# KiCad board manila_ice.kicad_pcb (continued)
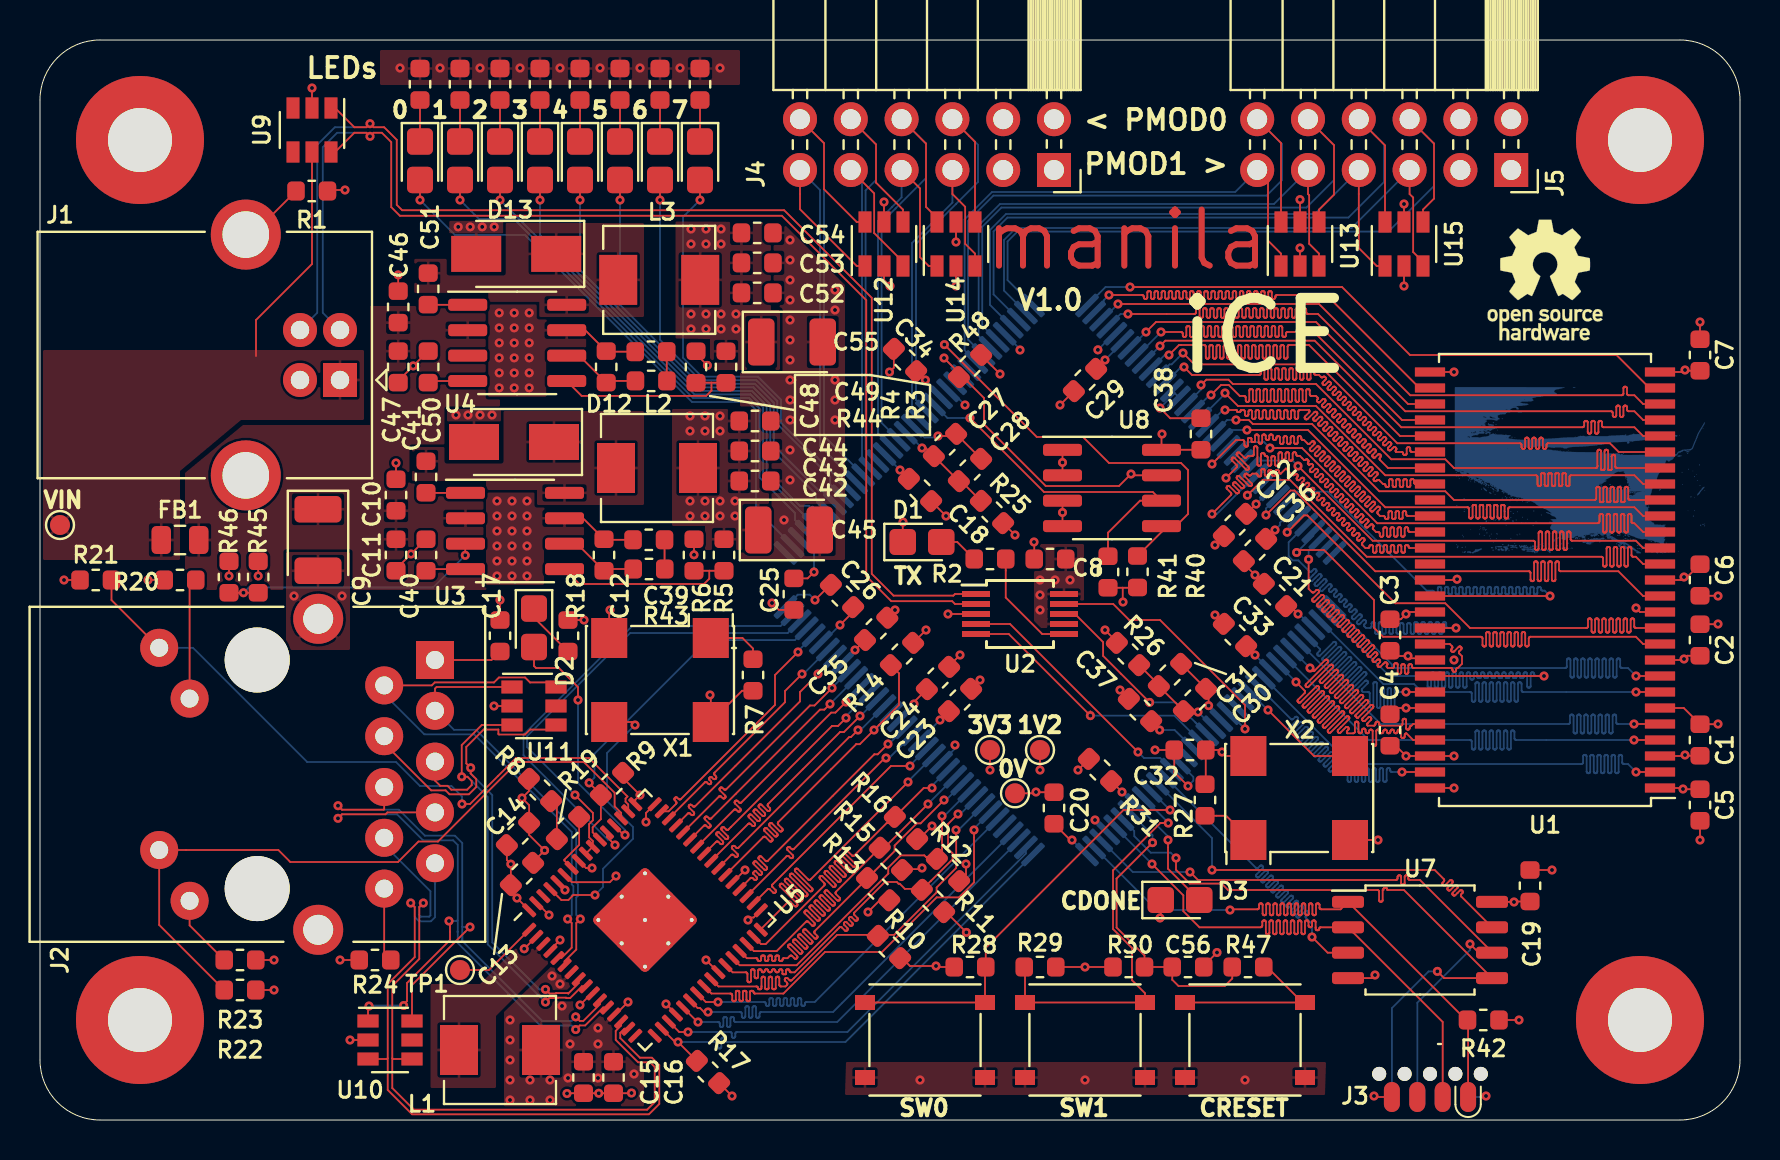
[diagram p0: board, top side]
## Routing (per net, layer and track width the routed paths; a pad name or vN(x,y) marks a point on that pad's centre or on a via; arc(x,y) is an arc through that point) (continued)
/FPGA/ETH_RXD6: length 16.9
  Top w0.089: v1(45.1,15.2) 45.1,13.31 44.94,13.16 44.29,13.16 44.22,13.23 43.04,13.23 42.99,13.19 42.98,13.19 42.41,12.62 42.41,12.33 42.42,12.32 37.83,7.74 34.99,7.74 U5.28
  Bottom w0.089: U6.82 45.21,15.2 v1(45.1,15.2)
/FPGA/ETH_RXD7: length 22.6
  Top w0.089: U5.29 35.34,8.09 35.81,8.09 35.82,8.09 35.84,8.08 35.85,8.08 35.86,8.07 35.87,8.05 35.88,8.04 35.88,8.01 35.88,7.99 35.89,7.98 35.9,7.97 35.92,7.96 35.93,7.96 35.94,7.96 35.99,7.96 36,7.96 36.02,7.96 36.03,7.97 36.04,7.98 36.05,7.99 36.05,8.01 36.05,8.02 36.05,8.09 36.06,8.09 36.06,8.16 36.06,8.17 36.07,8.19 36.08,8.2 36.09,8.21 36.1,8.22 36.11,8.22 36.13,8.23 36.17,8.23 36.19,8.22 36.2,8.22 36.21,8.21 36.23,8.2 36.23,8.19 36.24,8.17 36.24,8.16 36.24,8.02 36.24,8.01 36.25,7.99 36.25,7.98 36.27,7.97 36.28,7.96 36.29,7.96 36.31,7.96 36.35,7.96 36.36,7.96 36.38,7.96 36.39,7.97 36.4,7.98 36.41,7.99 36.42,8.01 36.42,8.02 36.42,8.16 36.42,8.17 36.42,8.19 36.43,8.2 36.44,8.21 36.46,8.22 36.47,8.22 36.49,8.23 36.53,8.23 36.54,8.22 36.56,8.22 36.57,8.21 36.58,8.2 36.59,8.19 36.59,8.17 36.6,8.16 36.6,8.02 36.6,8.01 36.6,7.99 36.61,7.98 36.62,7.97 36.63,7.96 36.65,7.96 36.66,7.96 36.71,7.96 36.72,7.96 36.73,7.96 36.75,7.97 36.76,7.98 36.77,7.99 36.77,8.01 36.77,8.02 36.77,8.16 36.77,8.17 36.78,8.19 36.79,8.2 36.8,8.21 36.81,8.22 36.83,8.22 36.84,8.23 36.88,8.23 36.9,8.22 36.91,8.22 36.93,8.21 36.94,8.2 36.94,8.19 36.95,8.17 36.95,8.16 36.95,8.02 36.95,8.01 36.96,7.99 36.97,7.98 36.98,7.97 36.99,7.96 37,7.96 37.02,7.96 37.06,7.96 37.08,7.96 37.09,7.96 37.1,7.97 37.11,7.98 37.12,7.99 37.13,8.01 37.13,8.04 37.14,8.05 37.14,8.07 37.15,8.08 37.17,8.08 37.18,8.09 37.2,8.09 37.38,8.09 37.48,8.2 37.5,8.21 37.52,8.22 37.54,8.22 37.56,8.22 37.58,8.22 37.59,8.21 37.61,8.2 37.72,8.09 37.74,8.07 37.75,8.06 37.77,8.06 37.79,8.06 37.81,8.06 37.83,8.07 37.85,8.09 37.86,8.1 37.87,8.12 37.87,8.14 37.87,8.16 37.87,8.18 37.86,8.2 37.85,8.21 37.43,8.63 37.41,8.65 37.41,8.66 37.4,8.68 37.4,8.7 37.41,8.72 37.41,8.74 37.43,8.76 37.44,8.77 37.46,8.78 37.48,8.78 37.5,8.78 37.52,8.78 37.54,8.77 37.55,8.76 37.97,8.34 37.99,8.32 38.01,8.32 38.02,8.31 38.04,8.31 38.06,8.32 38.08,8.32 38.1,8.34 38.11,8.35 38.12,8.37 38.12,8.39 38.12,8.41 38.12,8.43 38.11,8.45 38.1,8.46 37.68,8.88 37.67,8.9 37.66,8.92 37.65,8.93 37.65,8.95 37.66,8.97 37.67,8.99 37.68,9.01 37.69,9.02 37.71,9.03 37.73,9.03 37.75,9.03 37.77,9.03 37.79,9.02 37.8,9.01 38.22,8.59 38.24,8.58 38.26,8.57 38.28,8.56 38.3,8.56 38.32,8.57 38.33,8.58 38.35,8.59 38.36,8.6 38.37,8.62 38.37,8.64 38.37,8.66 38.37,8.68 38.36,8.7 38.35,8.71 37.93,9.13 37.92,9.15 37.91,9.17 37.9,9.19 37.9,9.21 37.91,9.23 37.92,9.24 37.93,9.26 37.95,9.27 37.96,9.28 37.98,9.28 38,9.28 38.02,9.28 38.04,9.27 38.06,9.26 38.47,8.84 38.49,8.83 38.51,8.82 38.53,8.81 38.55,8.81 38.57,8.82 38.58,8.83 38.6,8.84 38.61,8.86 38.62,8.87 38.63,8.89 38.63,8.91 38.62,8.93 38.61,8.95 38.6,8.97 38.18,9.38 38.17,9.4 38.16,9.42 38.16,9.44 38.16,9.46 38.16,9.48 38.17,9.49 38.18,9.51 38.2,9.52 38.21,9.53 38.23,9.54 38.25,9.54 38.27,9.53 38.29,9.52 38.31,9.51 38.73,9.09 38.74,9.08 38.76,9.07 38.78,9.07 38.8,9.07 38.82,9.07 38.84,9.08 38.85,9.09 38.86,9.11 38.87,9.12 38.88,9.14 38.88,9.16 38.87,9.18 38.86,9.2 38.85,9.22 38.74,9.33 38.73,9.34 38.72,9.36 38.71,9.38 38.71,9.4 38.72,9.42 38.73,9.44 38.74,9.45 42.73,13.44 42.73,13.72 43.84,14.83 44.03,14.83 v1(45.2,16)
  Bottom w0.089: U6.83 45.3,16 v1(45.2,16)
/FPGA/ETH_RXDV: length 24.9
  Top w0.089: R17.1 v1(31.9,3.9) 31.75,3.9 U5.18
  Bottom w0.089: v1(31.9,3.9) 33.8,3.9 33.82,3.9 33.84,3.89 33.86,3.88 33.87,3.87 33.88,3.85 33.89,3.83 33.89,3.81 33.89,3.66 33.89,3.64 33.9,3.63 33.91,3.61 33.92,3.59 33.94,3.58 33.96,3.58 33.98,3.57 34,3.58 34.02,3.58 34.03,3.59 34.05,3.61 34.06,3.63 34.06,3.64 34.07,3.66 34.07,4.04 34.07,4.06 34.08,4.07 34.09,4.09 34.1,4.11 34.12,4.12 34.14,4.12 34.16,4.13 34.18,4.12 34.19,4.12 34.21,4.11 34.23,4.09 34.24,4.07 34.24,4.06 34.24,4.04 34.24,3.99 34.25,3.97 34.25,3.95 34.26,3.93 34.28,3.92 34.29,3.91 34.31,3.9 34.33,3.9 40.27,3.9 U6.73
/FPGA/ETH_RXER: length 22.6
  Top w0.089: 41.54,13.58 41.55,13.57 41.56,13.55 41.57,13.53 ; U5.30 35.69,8.44 36.83,8.44 38.29,9.91 38.31,9.92 38.33,9.93 38.35,9.93 38.37,9.93 38.39,9.93 38.4,9.92 38.42,9.91 38.59,9.74 38.61,9.72 38.62,9.71 38.64,9.71 38.66,9.71 38.68,9.71 38.7,9.72 38.72,9.74 38.73,9.75 38.74,9.77 38.74,9.79 38.74,9.81 38.74,9.83 38.73,9.85 38.72,9.86 38.25,10.33 38.24,10.34 38.23,10.36 38.22,10.38 38.22,10.4 38.23,10.42 38.24,10.44 38.25,10.46 38.26,10.47 38.28,10.48 38.3,10.48 38.32,10.48 38.34,10.48 38.36,10.47 38.37,10.46 38.84,9.99 38.86,9.97 38.87,9.97 38.89,9.96 38.91,9.96 38.93,9.97 38.95,9.97 38.97,9.99 38.98,10 38.99,10.02 38.99,10.04 38.99,10.06 38.99,10.08 38.98,10.1 38.97,10.11 38.5,10.58 38.49,10.6 38.48,10.61 38.47,10.63 38.47,10.65 38.48,10.67 38.49,10.69 38.5,10.71 38.51,10.72 38.53,10.73 38.55,10.73 38.57,10.73 38.59,10.73 38.61,10.72 38.63,10.71 39.09,10.24 39.11,10.23 39.13,10.22 39.15,10.21 39.17,10.21 39.19,10.22 39.2,10.23 39.22,10.24 39.23,10.25 39.24,10.27 39.24,10.29 39.24,10.31 39.24,10.33 39.23,10.35 39.22,10.36 38.75,10.83 38.74,10.85 38.73,10.87 38.73,10.89 38.73,10.91 38.73,10.92 38.74,10.94 38.75,10.96 38.77,10.97 38.78,10.98 38.8,10.98 38.82,10.98 38.84,10.98 38.86,10.97 38.88,10.96 39.34,10.49 39.36,10.48 39.38,10.47 39.4,10.46 39.42,10.46 39.44,10.47 39.45,10.48 39.47,10.49 39.48,10.51 39.49,10.52 39.5,10.54 39.5,10.56 39.49,10.58 39.48,10.6 39.47,10.62 39,11.08 38.99,11.1 38.98,11.12 38.98,11.14 38.98,11.16 38.98,11.18 38.99,11.19 39,11.21 39.02,11.22 39.04,11.23 39.06,11.23 39.07,11.23 39.09,11.23 39.11,11.22 39.13,11.21 39.6,10.74 39.61,10.73 39.63,10.72 39.65,10.72 39.67,10.72 39.69,10.72 39.71,10.73 39.72,10.74 39.73,10.76 39.74,10.78 39.75,10.79 39.75,10.81 39.74,10.83 39.73,10.85 39.72,10.87 39.25,11.34 39.24,11.35 39.23,11.37 39.23,11.39 39.23,11.41 39.23,11.43 39.24,11.45 39.25,11.46 39.27,11.47 39.29,11.48 39.31,11.49 39.33,11.49 39.35,11.48 39.36,11.47 39.38,11.46 39.85,10.99 39.86,10.98 39.88,10.97 39.9,10.97 39.92,10.97 39.94,10.97 39.96,10.98 39.97,10.99 39.99,11.01 39.99,11.03 40,11.05 40,11.07 39.99,11.09 39.99,11.1 39.97,11.12 39.8,11.29 39.79,11.31 39.78,11.32 39.78,11.34 39.78,11.36 39.78,11.38 39.79,11.4 39.8,11.42 42.04,13.66 42.26,13.66 v1(44.4,15.8)
  Bottom w0.089: U6.84 44.4,15.8 v1(44.4,15.8)
/FPGA/ETH_TXCLK: length 12.5
  Top w0.089: U5.42 34.69,15.51 34.71,15.52 34.73,15.53 34.75,15.53 34.77,15.53 34.79,15.53 34.8,15.52 34.82,15.51 34.88,15.44 34.9,15.43 34.92,15.42 34.94,15.42 34.96,15.42 34.98,15.42 34.99,15.43 35.01,15.44 35.02,15.46 35.03,15.47 35.04,15.49 35.04,15.51 35.03,15.53 35.02,15.55 35.01,15.57 34.76,15.82 34.74,15.84 34.74,15.85 34.73,15.87 34.73,15.89 34.74,15.91 34.74,15.93 34.76,15.95 34.77,15.96 34.79,15.97 34.81,15.97 34.83,15.97 34.85,15.97 34.87,15.96 34.88,15.95 34.95,15.88 34.96,15.87 34.98,15.86 35,15.86 35.02,15.86 35.04,15.86 35.06,15.87 35.07,15.88 39.56,20.37 39.77,20.37 v1(40.3,20.9)
  Bottom w0.089: U6.97 40.3,20.9 v1(40.3,20.9)
/FPGA/ETH_TXD0: length 14.7
  Top w0.089: U5.36 35.52,12.08 35.53,12.1 35.55,12.11 35.57,12.11 35.59,12.11 35.61,12.11 35.63,12.1 35.64,12.08 35.7,12.03 35.71,12.02 35.73,12.01 35.75,12 35.77,12 35.79,12.01 35.81,12.02 35.82,12.03 35.84,12.04 35.84,12.06 35.85,12.08 35.85,12.1 35.84,12.12 35.84,12.14 35.82,12.15 35.67,12.31 35.66,12.32 35.66,12.33 35.65,12.34 35.65,12.35 35.66,12.36 35.66,12.37 35.67,12.38 35.72,12.43 35.73,12.44 35.74,12.45 35.75,12.45 35.77,12.45 35.78,12.45 35.79,12.44 35.79,12.43 35.95,12.28 35.96,12.27 35.98,12.26 36,12.25 36.02,12.25 36.04,12.26 36.06,12.27 36.07,12.28 36.09,12.3 36.1,12.31 36.1,12.33 36.1,12.35 36.1,12.37 36.09,12.39 36.07,12.41 35.7,12.78 35.68,12.8 35.68,12.82 35.67,12.84 35.67,12.86 35.68,12.88 35.68,12.89 35.7,12.91 35.71,12.92 35.73,12.93 35.75,12.94 35.77,12.94 35.79,12.93 35.81,12.92 35.82,12.91 36.2,12.53 36.22,12.52 36.23,12.51 36.25,12.51 36.27,12.51 36.29,12.51 36.31,12.52 36.33,12.53 36.34,12.55 36.35,12.56 36.35,12.58 36.35,12.6 36.35,12.62 36.34,12.64 36.33,12.66 35.95,13.04 35.94,13.05 35.93,13.07 35.92,13.09 35.92,13.11 35.93,13.13 35.94,13.15 35.95,13.16 35.96,13.17 35.98,13.18 36,13.19 36.02,13.19 36.04,13.18 36.06,13.17 36.07,13.16 36.27,12.96 36.29,12.95 36.3,12.94 36.32,12.94 36.34,12.94 36.36,12.94 36.38,12.95 36.4,12.96 41.72,18.28 41.88,18.28 v1(42.4,18.8)
  Bottom w0.089: U6.91 42.45,18.8 v1(42.4,18.8)
/FPGA/ETH_TXD1: length 12.5
  Top w0.089: U5.39 34.56,13.24 34.57,13.26 34.59,13.27 34.61,13.27 34.63,13.27 34.65,13.27 34.67,13.26 34.68,13.24 34.75,13.18 34.76,13.17 34.78,13.16 34.8,13.15 34.82,13.15 34.84,13.16 34.86,13.17 34.87,13.18 34.88,13.2 34.89,13.21 34.9,13.23 34.9,13.25 34.89,13.27 34.88,13.29 34.87,13.31 34.62,13.56 34.6,13.58 34.6,13.59 34.59,13.61 34.59,13.63 34.6,13.65 34.6,13.67 34.62,13.69 34.63,13.7 34.65,13.71 34.67,13.71 34.69,13.71 34.71,13.71 34.73,13.7 34.74,13.69 34.81,13.62 34.82,13.61 34.84,13.6 34.86,13.6 34.88,13.6 34.9,13.6 34.92,13.61 34.93,13.62 35.17,13.86 40.46,19.14 40.54,19.14 v1(40.9,19.5)
  Bottom w0.089: U6.94 41.03,19.5 v1(40.9,19.5)
/FPGA/ETH_TXD2: length 15.1
  Top w0.089: U5.40 35.4,14.8 35.42,14.81 35.44,14.82 35.45,14.82 35.47,14.82 35.49,14.82 35.51,14.81 35.53,14.8 35.6,14.72 35.62,14.71 35.64,14.7 35.66,14.7 35.68,14.7 35.7,14.7 35.71,14.71 35.73,14.72 35.74,14.74 35.75,14.75 35.76,14.77 35.76,14.79 35.75,14.81 35.74,14.83 35.73,14.85 35.45,15.13 35.44,15.14 35.43,15.16 35.43,15.18 35.43,15.2 35.43,15.22 35.44,15.24 35.45,15.25 35.47,15.26 35.48,15.27 35.5,15.28 35.52,15.28 35.54,15.27 35.56,15.26 35.58,15.25 35.86,14.97 35.87,14.96 35.89,14.95 35.91,14.95 35.93,14.95 35.95,14.95 35.97,14.96 35.98,14.97 35.99,14.99 36,15.01 36.01,15.03 36.01,15.05 36,15.06 35.99,15.08 35.98,15.1 35.7,15.38 35.69,15.39 35.68,15.41 35.68,15.43 35.68,15.45 35.68,15.47 35.69,15.49 35.7,15.5 35.72,15.52 35.74,15.52 35.75,15.53 35.77,15.53 35.79,15.52 35.81,15.52 35.83,15.5 36.11,15.22 36.12,15.21 36.14,15.2 36.16,15.2 36.18,15.2 36.2,15.2 36.22,15.21 36.23,15.22 36.25,15.24 36.25,15.26 36.26,15.28 36.26,15.3 36.25,15.32 36.25,15.33 36.23,15.35 35.95,15.63 35.94,15.65 35.93,15.66 35.93,15.68 35.93,15.7 35.93,15.72 35.94,15.74 35.95,15.76 35.97,15.77 35.99,15.78 36.01,15.78 36.03,15.78 36.05,15.78 36.06,15.77 36.08,15.76 36.36,15.48 36.37,15.46 36.39,15.45 36.41,15.45 36.43,15.45 36.45,15.45 36.47,15.46 36.48,15.48 36.5,15.49 36.51,15.51 36.51,15.53 36.51,15.55 36.51,15.57 36.5,15.59 36.48,15.6 36.41,15.68 36.4,15.69 36.39,15.71 36.38,15.73 36.38,15.75 36.39,15.77 36.4,15.79 36.41,15.8 40,19.4 40.2,19.4 v1(41,20.2)
  Bottom w0.089: U6.95 41.02,20.2 v1(41,20.2)
/FPGA/ETH_TXD3: length 13.7
  Top w0.089: U5.41 33.8,13.9 33.81,13.91 33.83,13.92 33.85,13.93 33.87,13.93 33.89,13.92 33.91,13.91 33.92,13.9 34.01,13.82 34.03,13.8 34.04,13.79 34.06,13.79 34.08,13.79 34.1,13.79 34.12,13.8 34.14,13.82 34.15,13.83 34.16,13.85 34.16,13.87 34.16,13.89 34.16,13.91 34.15,13.93 34.14,13.94 33.84,14.24 33.83,14.26 33.82,14.27 33.81,14.29 33.81,14.31 33.82,14.33 33.83,14.35 33.84,14.37 33.85,14.38 33.87,14.39 33.89,14.39 33.91,14.39 33.93,14.39 33.95,14.38 33.96,14.37 34.26,14.07 34.28,14.05 34.3,14.05 34.31,14.04 34.33,14.04 34.35,14.05 34.37,14.05 34.39,14.07 34.4,14.08 34.41,14.1 34.41,14.12 34.41,14.14 34.41,14.16 34.4,14.18 34.39,14.19 34.09,14.49 34.08,14.51 34.07,14.52 34.06,14.54 34.06,14.56 34.07,14.58 34.08,14.6 34.09,14.62 34.1,14.63 34.12,14.64 34.14,14.64 34.16,14.64 34.18,14.64 34.2,14.63 34.21,14.62 34.3,14.53 34.32,14.52 34.33,14.51 34.35,14.5 34.37,14.5 34.39,14.51 34.41,14.52 34.43,14.53 34.54,14.64 39.6,19.7 39.9,19.7 v1(40.3,20.1)
  Bottom w0.089: U6.96 40.3,20.19 v1(40.3,20.1)
/FPGA/ETH_TXD4: length 12.5
  Top w0.089: U5.43 33.19,14.71 33.21,14.72 33.22,14.73 33.24,14.73 33.26,14.73 33.28,14.73 33.3,14.72 33.32,14.71 33.38,14.64 33.4,14.63 33.41,14.62 33.43,14.62 33.45,14.62 33.47,14.62 33.49,14.63 33.51,14.64 33.52,14.66 33.53,14.68 33.53,14.7 33.53,14.72 33.53,14.74 33.52,14.76 33.51,14.77 33.25,15.02 33.24,15.04 33.23,15.06 33.23,15.08 33.23,15.1 33.23,15.12 33.24,15.13 33.25,15.15 33.27,15.16 33.29,15.17 33.31,15.18 33.33,15.18 33.35,15.17 33.36,15.16 33.38,15.15 33.44,15.09 33.46,15.07 33.48,15.07 33.5,15.06 33.52,15.06 33.53,15.07 33.55,15.07 33.57,15.09 39,20.52 39.22,20.52 v1(39.5,20.8)
  Bottom w0.089: U6.98 39.5,20.8 v1(39.5,20.8)
/FPGA/ETH_TXD5: length 12.5
  Top w0.089: U5.44 33.94,16.16 33.95,16.17 33.97,16.18 33.99,16.19 34.01,16.19 34.03,16.18 34.05,16.17 34.06,16.16 34.13,16.1 34.14,16.09 34.16,16.08 34.18,16.07 34.2,16.07 34.22,16.08 34.24,16.09 34.25,16.1 34.26,16.11 34.27,16.13 34.28,16.15 34.28,16.17 34.27,16.19 34.26,16.21 34.25,16.22 34,16.48 33.99,16.49 33.98,16.51 33.97,16.53 33.97,16.55 33.98,16.57 33.99,16.59 34,16.6 34.02,16.62 34.03,16.62 34.05,16.63 34.07,16.63 34.09,16.62 34.11,16.62 34.13,16.6 34.19,16.54 34.2,16.53 34.22,16.52 34.24,16.51 34.26,16.51 34.28,16.52 34.3,16.53 34.31,16.54 38.5,20.72 38.72,20.72 v1(39.6,21.6)
  Bottom w0.089: U6.99 39.6,21.61 v1(39.6,21.6)
/FPGA/ETH_TXD6: length 12.6
  Top w0.089: U5.45 32.38,15.32 32.4,15.33 32.42,15.34 32.44,15.34 32.46,15.34 32.48,15.34 32.49,15.33 32.51,15.32 32.56,15.27 32.58,15.25 32.59,15.25 32.61,15.24 32.63,15.24 32.65,15.25 32.67,15.25 32.69,15.27 32.7,15.28 32.71,15.3 32.71,15.32 32.71,15.34 32.71,15.36 32.7,15.38 32.69,15.39 32.46,15.62 32.45,15.63 32.44,15.65 32.43,15.67 32.43,15.69 32.44,15.71 32.45,15.73 32.46,15.74 32.48,15.76 32.49,15.76 32.51,15.77 32.53,15.77 32.55,15.76 32.57,15.76 32.59,15.74 32.64,15.69 32.65,15.68 32.67,15.67 32.69,15.67 32.71,15.67 32.73,15.67 32.75,15.68 32.76,15.69 38,20.93 38,21.4 v1(38.9,22.3)
  Bottom w0.089: v1(38.9,22.3) 38.9,22.32 U6.101 39.67,23.17
/FPGA/ETH_TXD7: length 12.5
  Top w0.089: U5.46 33.23,16.87 33.25,16.88 33.26,16.89 33.28,16.9 33.3,16.9 33.32,16.89 33.34,16.88 33.36,16.87 33.41,16.81 33.43,16.8 33.45,16.79 33.47,16.79 33.49,16.79 33.5,16.79 33.52,16.8 33.54,16.81 33.55,16.83 33.56,16.85 33.56,16.87 33.56,16.89 33.56,16.91 33.55,16.92 33.54,16.94 33.48,17 33.47,17.01 33.46,17.03 33.46,17.05 33.46,17.07 33.46,17.09 33.47,17.11 33.48,17.12 33.5,17.13 33.52,17.14 33.53,17.15 33.55,17.15 33.57,17.14 33.59,17.13 33.61,17.12 33.66,17.06 33.68,17.05 33.7,17.04 33.72,17.04 33.74,17.04 33.76,17.04 33.77,17.05 33.79,17.06 33.8,17.08 33.81,17.1 33.82,17.12 33.82,17.14 33.81,17.16 33.8,17.17 33.79,17.19 33.73,17.25 33.72,17.26 33.71,17.28 33.71,17.3 33.71,17.32 33.71,17.34 33.72,17.36 33.73,17.37 37.25,20.89 37.25,21.45 v1(38.1,22.3)
  Bottom w0.089: U6.102 38.17,22.3 v1(38.1,22.3)
/FPGA/ETH_TXEN: length 12.5
  Top w0.089: U5.35 37.32,13.18 37.34,13.19 37.35,13.2 37.37,13.21 37.39,13.21 37.41,13.2 37.43,13.19 37.45,13.18 37.51,13.12 37.53,13.1 37.54,13.1 37.56,13.09 37.58,13.09 37.6,13.1 37.62,13.1 37.64,13.12 37.65,13.13 37.66,13.15 37.66,13.17 37.66,13.19 37.66,13.21 37.65,13.23 37.64,13.24 37.38,13.5 37.37,13.51 37.36,13.53 37.36,13.55 37.36,13.57 37.36,13.59 37.37,13.61 37.38,13.62 37.4,13.63 37.41,13.64 37.43,13.65 37.45,13.65 37.47,13.64 37.49,13.63 37.51,13.62 37.57,13.56 37.59,13.55 37.6,13.54 37.62,13.53 37.64,13.53 37.66,13.54 37.68,13.55 37.7,13.56 42.24,18.1 v1(42.3,18.1)
  Bottom w0.089: U6.90 42.45,18.1 v1(42.3,18.1)
/FPGA/ETH_TXER: length 12.5
  Top w0.089: U5.47 31.43,15.44 31.8,15.8 31.81,15.82 31.82,15.84 31.82,15.86 31.82,15.88 31.82,15.89 31.81,15.91 31.8,15.93 31.74,15.98 31.73,16 31.72,16.02 31.72,16.04 31.72,16.05 31.72,16.07 31.73,16.09 31.74,16.11 31.76,16.12 31.78,16.13 31.8,16.13 31.82,16.13 31.84,16.13 31.85,16.12 31.87,16.11 31.92,16.05 31.94,16.04 31.96,16.03 31.98,16.03 32,16.03 32.02,16.03 32.03,16.04 32.05,16.05 36.75,20.75 36.75,22.25 v1(37.9,23.4)
  Bottom w0.089: U6.104 37.9,23.45 v1(37.9,23.4)
/FPGA/LED0: length 29.7
  Top w0.089: v1(19,46) D11.2
  Bottom w0.089: U6.110 35.8,30.53 35.8,35.5 35.4,35.9 32.6,35.9 24.24,44.26 20.74,44.26 v1(19,46)
/FPGA/LED1: length 27.4
  Top w0.089: D10.2 v1(21,46)
  Bottom w0.089: v1(21,46) 21.95,45.05 23.7,45.05 32.65,36.1 35.45,36.1 35.98,35.57 35.98,32.12 37.74,30.36 37.74,30.01 U6.112
/FPGA/LED2: length 25.4
  Top w0.089: v1(23,46) D9.2
  Bottom w0.089: U6.113 36.16,32.3 36.16,35.65 35.53,36.28 32.73,36.28 23.27,45.74 23.26,45.74 v1(23,46)
/FPGA/LED3: length 24.6
  Top w0.089: v1(25,46) D8.2
  Bottom w0.089: v1(25,46) 25,44.25 32.8,36.46 35.6,36.46 36.33,35.72 36.33,32.37 37.99,30.71 38.45,30.71 U6.114
/FPGA/LED4: length 23.3
  Top w0.089: v1(27,46) D7.2
  Bottom w0.089: v1(27,46) 27,42.51 32.87,36.63 35.67,36.63 36.51,35.79 36.51,33.59 36.59,33.51 36.59,33.5 38.8,31.29 38.8,31.07 U6.115
/FPGA/LED5: length 22.4
  Top w0.089: v1(29,46) D6.2
  Bottom w0.089: v1(29,46) 29,40.76 32.95,36.81 35.75,36.81 36.69,35.87 36.69,33.72 38.95,31.46 39.11,31.46 U6.116
/FPGA/LED6: length 21.2
  Top w0.089: v1(31,46) D5.2
  Bottom w0.089: U6.117 39.51,31.77 39.51,32.15 36.87,34.79 36.87,35.94 35.82,36.99 33.02,36.99 31,39.01 v1(31,46)
/FPGA/LED7: length 20.9
  Top w0.089: v1(33,46) D4.2
  Bottom w0.089: U6.118 38.82,33.17 38.74,33.17 37.04,34.87 37.04,36.02 35.89,37.17 33.09,37.17 32.15,38.11 32.15,45.15 v1(33,46)
/FPGA/MISO: length 33.4
  Top w0.089: J3.2 70.14,4.9 U7.2 64.04,9.64 64.02,9.63 64,9.63 63.99,9.62 63.98,9.61 63.97,9.59 63.96,9.58 63.96,9.54 63.95,9.53 63.94,9.51 63.93,9.5 63.92,9.49 63.9,9.49 63.89,9.49 63.86,9.49 63.84,9.49 63.82,9.49 63.81,9.5 63.8,9.51 63.79,9.53 63.78,9.54 63.78,9.56 63.78,9.64 63.78,9.9 63.78,9.91 63.77,9.93 63.76,9.95 63.75,9.96 63.73,9.98 63.71,9.98 63.69,9.98 63.67,9.98 63.65,9.98 63.64,9.96 63.62,9.95 63.61,9.93 63.61,9.91 63.6,9.9 63.6,9.72 63.6,9.7 63.6,9.69 63.59,9.67 63.57,9.65 63.55,9.64 63.54,9.64 63.52,9.64 63.5,9.64 63.48,9.64 63.46,9.65 63.45,9.67 63.44,9.69 63.43,9.7 63.43,9.72 63.43,9.9 63.42,9.91 63.42,9.93 63.41,9.95 63.39,9.96 63.38,9.98 63.36,9.98 63.34,9.98 63.32,9.98 63.3,9.98 63.28,9.96 63.27,9.95 63.26,9.93 63.25,9.91 63.25,9.9 63.25,9.37 63.25,9.36 63.24,9.34 63.23,9.32 63.22,9.31 63.2,9.29 63.18,9.29 63.16,9.29 63.14,9.29 63.12,9.29 63.1,9.31 63.09,9.32 63.08,9.34 63.07,9.36 63.07,9.37 63.07,9.9 63.07,9.91 63.06,9.93 63.05,9.95 63.04,9.96 63.02,9.98 63,9.98 62.98,9.98 62.96,9.98 62.94,9.98 62.93,9.96 62.91,9.95 62.9,9.93 62.9,9.91 62.89,9.9 62.89,9.37 62.89,9.36 62.88,9.34 62.87,9.32 62.86,9.31 62.84,9.29 62.82,9.29 62.8,9.29 62.78,9.29 62.77,9.29 62.75,9.31 62.73,9.32 62.72,9.34 62.72,9.36 62.72,9.37 62.72,9.9 62.71,9.91 62.71,9.93 62.7,9.95 62.68,9.96 62.67,9.98 62.65,9.98 62.63,9.98 62.61,9.98 62.59,9.98 62.57,9.96 62.56,9.95 62.55,9.93 62.54,9.91 62.54,9.9 62.54,9.37 62.54,9.36 62.53,9.34 62.52,9.32 62.5,9.31 62.49,9.29 62.47,9.29 62.45,9.29 62.43,9.29 62.41,9.29 62.39,9.31 62.38,9.32 62.37,9.34 62.36,9.36 62.36,9.37 62.36,9.9 62.36,9.91 62.35,9.93 62.34,9.95 62.33,9.96 62.31,9.98 62.29,9.98 62.27,9.98 62.25,9.98 62.23,9.98 62.22,9.96 62.2,9.95 62.19,9.93 62.18,9.91 62.18,9.9 62.18,9.37 62.18,9.36 62.17,9.34 62.16,9.32 62.15,9.31 62.13,9.29 62.11,9.29 62.09,9.29 62.07,9.29 62.05,9.29 62.04,9.31 62.02,9.32 62.01,9.34 62.01,9.36 62,9.37 62,9.9 62,9.91 62,9.93 61.98,9.95 61.97,9.96 61.95,9.98 61.94,9.98 61.92,9.98 61.9,9.98 61.88,9.98 61.86,9.96 61.85,9.95 61.84,9.93 61.83,9.91 61.83,9.9 61.83,9.37 61.82,9.36 61.82,9.34 61.81,9.32 61.79,9.31 61.78,9.29 61.76,9.29 61.74,9.29 61.72,9.29 61.7,9.29 61.68,9.31 61.67,9.32 61.66,9.34 61.65,9.36 61.65,9.37 61.65,9.9 61.65,9.91 61.64,9.93 61.63,9.95 61.62,9.96 61.6,9.98 61.58,9.98 61.56,9.98 61.54,9.98 61.52,9.98 61.5,9.96 61.49,9.95 61.48,9.93 61.47,9.91 61.47,9.9 61.47,9.37 61.47,9.36 61.46,9.34 61.45,9.32 61.44,9.31 61.42,9.29 61.4,9.29 61.38,9.29 61.36,9.29 61.34,9.29 61.33,9.31 61.31,9.32 61.3,9.34 61.3,9.36 61.29,9.37 61.29,9.9 61.29,9.91 61.28,9.93 61.27,9.95 61.26,9.96 61.24,9.98 61.22,9.98 61.2,9.98 61.18,9.98 61.17,9.98 61.15,9.96 61.13,9.95 61.12,9.93 61.12,9.91 61.12,9.9 61.12,9.72 61.11,9.7 61.11,9.69 61.1,9.67 61.08,9.65 61.06,9.64 61.05,9.64 61.03,9.64 57.97,9.64 57.17,10.44 57.17,11.23 v1(55.6,12.8)
  Bottom w0.089: v1(55.6,12.8) 53.77,14.63 U6.68
/FPGA/MOSI: length 34.1
  Top w0.089: v1(69.87,7.43) 70.2,7.09 U7.5 ; U7.5 68.2,11.5 67.4,11.5 67.39,11.5 67.38,11.5 67.37,11.51 67.36,11.52 67.35,11.53 67.35,11.54 67.35,11.56 67.35,11.57 67.34,11.58 67.33,11.59 67.32,11.6 67.31,11.6 67.3,11.6 67.22,11.6 67.21,11.6 67.2,11.6 67.19,11.59 67.18,11.58 67.18,11.57 67.17,11.56 67.17,11.55 67.17,11.5 67.13,11.5 67.13,11 67.13,10.98 67.12,10.96 67.11,10.94 67.1,10.93 67.08,10.92 67.06,10.91 67.04,10.91 67.02,10.91 67.01,10.92 66.99,10.93 66.97,10.94 66.96,10.96 66.96,10.98 66.96,11 66.96,11.41 66.95,11.43 66.95,11.45 66.94,11.47 66.92,11.48 66.91,11.49 66.89,11.5 66.87,11.5 59.4,11.5 59.08,11.82 57.49,11.82 56.8,12.51 v1(56.8,13.1) ; U7.5 72.3,7.09
  Bottom w0.089: v1(69.87,7.43) 69.43,7.43 67.6,5.6 J3.5 ; v1(56.8,13.1) 56.54,13.36 55.54,13.36 54.71,14.19 54.71,14.45 U6.67
/FPGA/QSPI_IO2: length 23
  Top w0.089: v1(63.6,9.15) 64.38,8.36 U7.3
  Bottom w0.089: v1(63.6,9.15) 63.6,9.8 63.3,10.1 63.29,10.12 63.28,10.14 63.28,10.15 63.28,10.17 63.28,10.19 63.29,10.21 63.3,10.23 63.39,10.31 63.4,10.33 63.41,10.35 63.41,10.37 63.41,10.39 63.41,10.41 63.4,10.42 63.39,10.44 63.37,10.45 63.35,10.46 63.33,10.46 63.31,10.46 63.3,10.46 63.28,10.45 63.26,10.44 62.96,10.14 62.95,10.13 62.93,10.12 62.91,10.12 62.89,10.12 62.87,10.12 62.85,10.13 62.84,10.14 62.83,10.16 62.82,10.18 62.81,10.2 62.81,10.21 62.82,10.23 62.83,10.25 62.84,10.27 63.14,10.56 63.15,10.58 63.16,10.6 63.16,10.62 63.16,10.64 63.16,10.66 63.15,10.67 63.14,10.69 63.12,10.7 63.1,10.71 63.08,10.72 63.06,10.72 63.04,10.71 63.03,10.7 63.01,10.69 62.71,10.39 62.7,10.38 62.68,10.37 62.66,10.37 62.64,10.37 62.62,10.37 62.6,10.38 62.59,10.39 62.58,10.41 62.57,10.43 62.56,10.45 62.56,10.47 62.57,10.49 62.58,10.5 62.59,10.52 62.88,10.82 62.9,10.83 62.91,10.85 62.91,10.87 62.91,10.89 62.91,10.91 62.9,10.93 62.88,10.94 62.87,10.95 62.85,10.96 62.83,10.97 62.81,10.97 62.79,10.96 62.77,10.95 62.76,10.94 62.46,10.65 62.45,10.63 62.43,10.62 62.41,10.62 62.39,10.62 62.37,10.62 62.35,10.63 62.34,10.65 62.32,10.66 62.32,10.68 62.31,10.7 62.31,10.72 62.32,10.74 62.32,10.76 62.34,10.77 62.63,11.07 62.65,11.08 62.65,11.1 62.66,11.12 62.66,11.14 62.65,11.16 62.65,11.18 62.63,11.19 62.62,11.21 62.6,11.21 62.58,11.22 62.56,11.22 62.54,11.21 62.52,11.21 62.51,11.19 62.21,10.9 62.2,10.88 62.18,10.88 62.16,10.87 62.14,10.87 62.12,10.88 62.1,10.88 62.08,10.9 62.07,10.91 62.06,10.93 62.06,10.95 62.06,10.97 62.06,10.99 62.07,11.01 62.08,11.02 62.38,11.32 62.39,11.33 62.4,11.35 62.41,11.37 62.41,11.39 62.4,11.41 62.39,11.43 62.38,11.44 62.37,11.46 62.35,11.47 62.33,11.47 62.31,11.47 62.29,11.47 62.27,11.46 62.26,11.44 61.96,11.15 61.94,11.14 61.93,11.13 61.91,11.12 61.89,11.12 61.87,11.13 61.85,11.14 61.83,11.15 61.82,11.16 61.81,11.18 61.81,11.2 61.81,11.22 61.81,11.24 61.82,11.26 61.83,11.27 62.13,11.57 62.14,11.59 62.15,11.6 62.16,11.62 62.16,11.64 62.15,11.66 62.14,11.68 62.13,11.7 62.11,11.71 62.1,11.72 62.08,11.72 62.06,11.72 62.04,11.72 62.02,11.71 62,11.7 61.71,11.4 61.69,11.39 61.67,11.38 61.65,11.37 61.63,11.37 61.62,11.38 61.6,11.39 61.58,11.4 61.57,11.41 61.56,11.43 61.56,11.45 61.56,11.47 61.56,11.49 61.57,11.51 61.58,11.53 61.88,11.82 61.89,11.84 61.9,11.86 61.9,11.87 61.9,11.89 61.9,11.91 61.89,11.93 61.88,11.95 61.86,11.96 61.85,11.97 61.83,11.97 61.81,11.97 61.79,11.97 61.77,11.96 61.75,11.95 61.46,11.65 61.44,11.64 61.42,11.63 61.4,11.63 61.38,11.63 61.36,11.63 61.35,11.64 61.33,11.65 61.32,11.67 61.31,11.68 61.31,11.7 61.31,11.72 61.31,11.74 61.32,11.76 61.33,11.78 61.63,12.07 61.64,12.09 61.65,12.11 61.65,12.13 61.65,12.15 61.65,12.17 61.64,12.18 61.63,12.2 61.61,12.21 61.59,12.22 61.57,12.22 61.55,12.22 61.54,12.22 61.52,12.21 61.5,12.2 61.2,11.9 61.19,11.89 61.17,11.88 61.15,11.88 61.13,11.88 61.11,11.88 61.09,11.89 61.08,11.9 61.07,11.92 61.06,11.94 61.05,11.96 61.05,11.98 61.06,11.99 61.07,12.01 61.08,12.03 61.38,12.32 61.39,12.34 61.4,12.36 61.4,12.38 61.4,12.4 61.4,12.42 61.39,12.43 61.38,12.45 61.36,12.46 61.34,12.47 61.32,12.48 61.3,12.48 61.28,12.47 61.27,12.46 61.25,12.45 60.95,12.15 60.94,12.14 60.92,12.13 60.9,12.13 60.88,12.13 60.86,12.13 60.84,12.14 60.83,12.15 60.82,12.17 60.81,12.19 60.8,12.21 60.8,12.23 60.81,12.25 60.82,12.26 60.83,12.28 61.12,12.58 61.14,12.59 61.15,12.61 61.15,12.63 61.15,12.65 61.15,12.67 61.14,12.69 61.12,12.7 61.11,12.71 61.09,12.72 61.07,12.73 61.05,12.73 61.03,12.72 61.01,12.71 61,12.7 60.91,12.62 60.9,12.6 60.88,12.6 60.86,12.59 60.84,12.59 60.82,12.6 60.8,12.6 60.79,12.62 U6.61
/FPGA/QSPI_IO3: length 23
  Top w0.089: U7.7 71.07,11.17 71.06,11.18 71.05,11.2 71.04,11.22 71.04,11.24 71.05,11.26 71.06,11.28 71.07,11.29 71.11,11.34 71.13,11.36 71.13,11.37 71.14,11.39 71.14,11.41 71.13,11.43 71.13,11.45 71.11,11.47 71.1,11.48 71.08,11.49 71.06,11.49 71.04,11.49 71.02,11.49 71,11.48 70.99,11.47 70.77,11.25 70.75,11.23 70.74,11.23 70.72,11.22 70.7,11.22 70.68,11.23 70.66,11.23 70.64,11.25 70.63,11.26 70.62,11.28 70.62,11.3 70.62,11.32 70.62,11.34 70.63,11.36 70.64,11.37 70.86,11.59 70.87,11.61 70.88,11.62 70.89,11.64 70.89,11.66 70.88,11.68 70.87,11.7 70.86,11.72 70.85,11.73 70.83,11.74 70.81,11.74 70.79,11.74 70.77,11.74 70.75,11.73 70.74,11.72 70.52,11.5 70.5,11.49 70.48,11.48 70.47,11.47 70.45,11.47 70.43,11.48 70.41,11.49 70.39,11.5 70.38,11.51 70.37,11.53 70.37,11.55 70.37,11.57 70.37,11.59 70.38,11.61 70.39,11.62 70.61,11.84 70.62,11.86 70.63,11.88 70.64,11.9 70.64,11.92 70.63,11.93 70.62,11.95 70.61,11.97 70.6,11.98 70.58,11.99 70.56,11.99 70.54,11.99 70.52,11.99 70.5,11.98 70.49,11.97 70.27,11.75 70.25,11.74 70.23,11.73 70.21,11.72 70.19,11.72 70.17,11.73 70.16,11.74 70.14,11.75 70.13,11.77 70.12,11.78 70.12,11.8 70.12,11.82 70.12,11.84 70.13,11.86 70.14,11.88 70.19,11.92 70.2,11.94 70.21,11.96 70.21,11.97 70.21,11.99 70.21,12.01 70.2,12.03 70.19,12.05 69.73,12.5 v1(58.6,12.5)